# Altium PCB PM06-保险杠灯-V1.PcbDoc
Units mm, origin at the board's own origin, x right, y up, seen from the top; angles counter-clockwise.
Board outline 150 x 5.5 mm, 2 copper layers (Top Layer, Bottom Layer); 30 components, 33 nets, 120 pads, 78 vias.
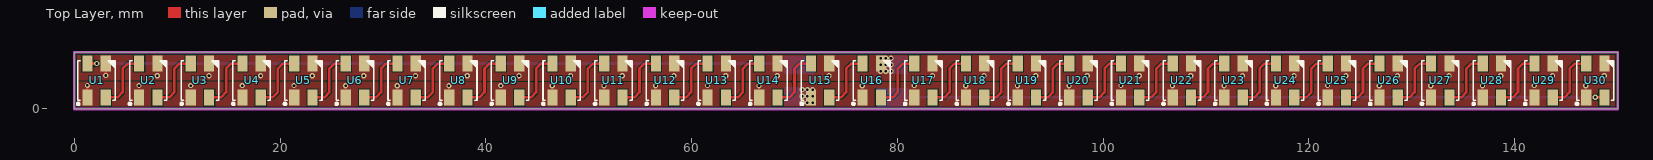
[diagram p0: Top Layer view]
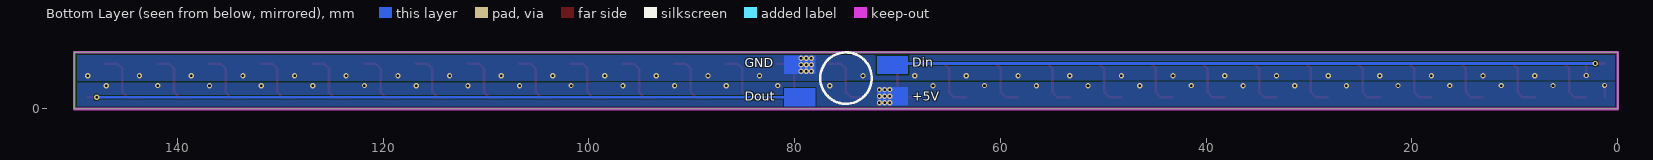
[diagram p1: Bottom Layer view, seen from below]
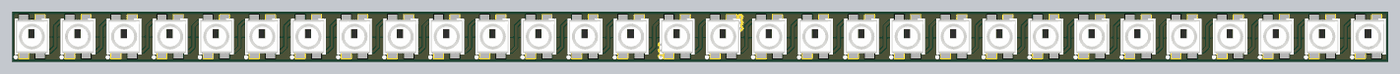
[diagram p2: 3D render of the assembled board from above, using the file's embedded part models]

## Layer stack, top to bottom
Top Solder: solder mask 0.0102, Solder Resist, Dk 3.5
Top Layer: signal copper 0.0356
Dielectric 1: dielectric 0.32, FR-4, Dk 4.8
Bottom Layer: signal copper 0.0356
Bottom Solder: solder mask 0.0102, Solder Resist, Dk 3.5

## Board outline
0,0 0,5.5 150,5.5 150,0

## Design rules (kind name [scope] priority, off if disabled: settings)
Clearance [All] p1: gap=0.127 ignorepadtopadclearanceinfootprint=FALSE
PolygonConnect [All] p1: connectstyle=Direct reliefconductorwidth=0.254 reliefentries=4 polygonreliefangle="90 Angle" airgapwidth=0.254
RoutingVias [All] p1: holewidth=0.254 width=0.508 viastyle="Through Hole" minholewidth=0.254 minwidth=0.508 maxholewidth=0.711 maxwidth=1.27
SolderMaskExpansion [All] p1: expansion=0.102 istentingtop=FALSE
Width [All] p1: maxlimit=0.254 minlimit=0.254 preferedwidth=0.254
30 further rules are at their usual default settings.

## Components (designator, comment, footprint, x,y, rotation, side; value= is the part's Value field where it differs from the comment)
U1 "WS2812" 3535 2.159,2.769 r90 top
U2 "WS2812" 3535 7.182,2.769 r90 top
U3 "WS2812" 3535 12.205,2.769 r90 top
U4 "WS2812" 3535 17.228,2.769 r90 top
U5 "WS2812" 3535 22.251,2.769 r90 top
U6 "WS2812" 3535 27.274,2.769 r90 top
U7 "WS2812" 3535 32.297,2.769 r90 top
U8 "WS2812" 3535 37.32,2.769 r90 top
U9 "WS2812" 3535 42.344,2.769 r90 top
U10 "WS2812" 3535 47.367,2.769 r90 top
U11 "WS2812" 3535 52.39,2.769 r90 top
U12 "WS2812" 3535 57.413,2.769 r90 top
U13 "WS2812" 3535 62.436,2.769 r90 top
U14 "WS2812" 3535 67.459,2.769 r90 top
U15 "WS2812" 3535 72.482,2.769 r90 top
U16 "WS2812" 3535 77.505,2.769 r90 top
U17 "WS2812" 3535 82.528,2.769 r90 top
U18 "WS2812" 3535 87.551,2.769 r90 top
U19 "WS2812" 3535 92.574,2.769 r90 top
U20 "WS2812" 3535 97.597,2.769 r90 top
U21 "WS2812" 3535 102.62,2.769 r90 top
U22 "WS2812" 3535 107.643,2.769 r90 top
U23 "WS2812" 3535 112.667,2.769 r90 top
U24 "WS2812" 3535 117.69,2.769 r90 top
U25 "WS2812" 3535 122.713,2.769 r90 top
U26 "WS2812" 3535 127.736,2.769 r90 top
U27 "WS2812" 3535 132.759,2.769 r90 top
U28 "WS2812" 3535 137.782,2.769 r90 top
U29 "WS2812" 3535 142.805,2.769 r90 top
U30 "WS2812" 3535 147.828,2.769 r90 top

## Footprints (in the part's own frame and the unit in brackets; to place one, negate y for a bottom-side part, rotate by r counter-clockwise, add the part's x,y. Pads: shape width x height; smd on the part's side, far side on the other; paste and mask are expansions set on the pad)
3535 [mm]
  rect 1.545x0.997 smd: 1(-1.638,0.89) 2(-1.638,-0.89) 3(1.638,-0.89) 4(1.638,0.89)
  silkscreen extent -2.37,-1.82 1.92,1.88, body extent -1.84,-1.74 1.84,1.74, height 1.91

## Part data
U1 U2 U3 U4 U5 U6 U7 U8 U9 U10 U11 U12 U13 U14 U15 U16 U17 U18 U19 U20 U21 U22 U23 U24 U25 U26 U27 U28 U29 U30: library part 芯片/IC-WS2812

## Via types
v1: diameter 0.508, hole 0.254, Top Layer to Bottom Layer, 78 vias

## Nets (pads, with @x,y where several pads share a name; then routed paths per layer and width w, separated by ;. In a path a pad name is that pad's centre, name@x,y a point inside that pad or via, vN(x,y) a via of type N, cw(c..) or ccw(c..) an arc to the next point about the centre after c; other vN are vias at no path point)
+5: U1.1 U2.1 U3.1 U4.1 U5.1 U6.1 U7.1 U8.1 U9.1 U10.1 U11.1 U12.1 U13.1 U14.1 U15.1 U16.1 U17.1 U18.1 U19.1 U20.1 U21.1 U22.1 U23.1 U24.1 U25.1 U26.1 U27.1 U28.1 U29.1 U30.1 | length 1.2
  Top Layer w0.254: U1.1 1.27,1.132 v1(1.27,2.286)
  other v1: 70.739,0.61 71.247,0.61 71.755,0.61 70.739,1.245 71.247,1.245 71.755,1.245 70.739,1.88 71.247,1.88 71.755,1.88 6.28,2.273 11.303,2.273 16.326,2.273 21.349,2.273 26.358,2.259 31.381,2.259 36.405,2.259 41.441,2.273 46.451,2.259 51.474,2.259 56.497,2.259 61.533,2.273 66.543,2.259 76.589,2.259 81.626,2.273 86.635,2.259 91.658,2.259 96.681,2.259 101.718,2.273 106.727,2.259 111.751,2.259 116.774,2.259 121.81,2.273 126.82,2.259 131.843,2.259 136.866,2.259 141.902,2.273 146.912,2.259
Din: U1.4 | length 69.3
  Top Layer w0.254: U1.4 1.282,4.42 v1(2.169,4.42)
  Bottom Layer w0.254: v1(2.169,4.42) 70.358,4.42 70.485,4.547
Dout: U30.2 | length 69.1
  Top Layer w0.254: v1(147.831,1.131) U30.2
  Bottom Layer w0.254: 79.629,1.118 79.642,1.131 v1(147.831,1.131)
GND: U1.3 U2.3 U3.3 U4.3 U5.3 U6.3 U7.3 U8.3 U9.3 U10.3 U11.3 U12.3 U13.3 U14.3 U15.3 U16.3 U17.3 U18.3 U19.3 U20.3 U21.3 U22.3 U23.3 U24.3 U25.3 U26.3 U27.3 U28.3 U29.3 U30.3 | length 5.7
  Top Layer w0.254: v1(3.048,3.251) U1.3@3.048,4.405
  Bottom Layer w0.254: v1@78.867,3.785 v1@79.438,4.356 ; v1@78.867,4.42 v1@79.375,4.42 ; v1(79.375,4.293) 79.375,3.785 79.502,3.912 v1@79.502,4.293 ; v1@79.375,5.055 79.375,4.547 78.867,5.055 v1(78.867,4.928) v1@79.375,4.42 ; v1@79.502,4.42 v1@79.375,4.42
  other v1: 8.058,3.238 13.081,3.238 18.104,3.238 23.127,3.238 28.136,3.224 33.159,3.224 38.183,3.224 43.219,3.238 48.229,3.224 53.252,3.224 58.275,3.224 63.311,3.238 68.321,3.224 73.344,3.224 83.404,3.238 88.413,3.224 93.436,3.224 98.459,3.224 103.496,3.238 108.505,3.224 113.529,3.224 118.552,3.224 123.588,3.238 128.598,3.224 133.621,3.224 138.644,3.224 143.68,3.238 148.69,3.224 78.359,3.658 78.867,3.658 79.375,3.658 78.359,4.293 78.867,4.293 78.359,4.928 79.375,4.928
NetU1_2: U1.2 U2.4 | length 5.9
  Top Layer w0.254: U1.2 4.204,1.131 4.699,1.626 4.699,3.912 5.194,4.406 U2.4
NetU2_2: U2.2 U3.4 | length 5.9
  Top Layer w0.254: U2.2 9.228,1.131 9.722,1.626 9.722,3.912 10.217,4.406 U3.4
NetU3_2: U3.2 U4.4 | length 5.9
  Top Layer w0.254: U3.2 14.251,1.131 14.745,1.626 14.745,3.912 15.24,4.406 U4.4
NetU4_2: U4.2 U5.4 | length 5.9
  Top Layer w0.254: U4.2 19.274,1.131 19.768,1.626 19.768,3.912 20.263,4.406 U5.4
NetU5_2: U5.2 U6.4 | length 5.9
  Top Layer w0.254: U5.2 24.297,1.131 24.791,1.626 24.791,3.912 25.286,4.406 U6.4
NetU6_2: U6.2 U7.4 | length 5.9
  Top Layer w0.254: U6.2 29.32,1.131 29.814,1.626 29.814,3.912 30.309,4.406 U7.4
NetU7_2: U7.2 U8.4 | length 5.9
  Top Layer w0.254: U7.2 34.343,1.131 34.837,1.626 34.837,3.912 35.332,4.406 U8.4
NetU8_2: U8.2 U9.4 | length 5.9
  Top Layer w0.254: U8.2 39.366,1.131 39.86,1.626 39.86,3.912 40.355,4.406 U9.4
NetU9_2: U9.2 U10.4 | length 5.9
  Top Layer w0.254: U9.2 44.389,1.131 44.884,1.626 44.884,3.912 45.378,4.406 U10.4
NetU10_2: U10.2 U11.4 | length 5.9
  Top Layer w0.254: U10.2 49.412,1.131 49.907,1.626 49.907,3.912 50.401,4.406 U11.4
NetU11_2: U11.2 U12.4 | length 5.9
  Top Layer w0.254: U11.2 54.435,1.131 54.93,1.626 54.93,3.912 55.424,4.406 U12.4
NetU12_2: U12.2 U13.4 | length 5.9
  Top Layer w0.254: U12.2 59.458,1.131 59.953,1.626 59.953,3.912 60.447,4.406 U13.4
NetU13_2: U13.2 U14.4 | length 5.9
  Top Layer w0.254: U13.2 64.481,1.131 64.976,1.626 64.976,3.912 65.47,4.406 U14.4
NetU14_2: U14.2 U15.4 | length 5.9
  Top Layer w0.254: U14.2 69.504,1.131 69.999,1.626 69.999,3.912 70.493,4.406 U15.4
NetU15_2: U15.2 U16.4 | length 5.9
  Top Layer w0.254: U15.2 74.527,1.131 75.022,1.626 75.022,3.912 75.516,4.406 U16.4
NetU16_2: U16.2 U17.4 | length 5.9
  Top Layer w0.254: U16.2 79.551,1.131 80.045,1.626 80.045,3.912 80.54,4.406 U17.4
NetU17_2: U17.2 U18.4 | length 5.9
  Top Layer w0.254: U17.2 84.574,1.131 85.068,1.626 85.068,3.912 85.563,4.406 U18.4
NetU18_2: U18.2 U19.4 | length 5.9
  Top Layer w0.254: U18.2 89.597,1.131 90.091,1.626 90.091,3.912 90.586,4.406 U19.4
NetU19_2: U19.2 U20.4 | length 5.9
  Top Layer w0.254: U19.2 94.62,1.131 95.114,1.626 95.114,3.912 95.609,4.406 U20.4
NetU20_2: U20.2 U21.4 | length 5.9
  Top Layer w0.254: U20.2 99.643,1.131 100.137,1.626 100.137,3.912 100.632,4.406 U21.4
NetU21_2: U21.2 U22.4 | length 5.9
  Top Layer w0.254: U21.2 104.666,1.131 105.16,1.626 105.16,3.912 105.655,4.406 U22.4
NetU22_2: U22.2 U23.4 | length 5.9
  Top Layer w0.254: U22.2 109.689,1.131 110.183,1.626 110.183,3.912 110.678,4.406 U23.4
NetU23_2: U23.2 U24.4 | length 5.9
  Top Layer w0.254: U23.2 114.712,1.131 115.207,1.626 115.207,3.912 115.701,4.406 U24.4
NetU24_2: U24.2 U25.4 | length 5.9
  Top Layer w0.254: U24.2 119.735,1.131 120.23,1.626 120.23,3.912 120.724,4.406 U25.4
NetU25_2: U25.2 U26.4 | length 5.9
  Top Layer w0.254: U25.2 124.758,1.131 125.253,1.626 125.253,3.912 125.747,4.406 U26.4
NetU26_2: U26.2 U27.4 | length 5.9
  Top Layer w0.254: U26.2 129.781,1.131 130.276,1.626 130.276,3.912 130.77,4.406 U27.4
NetU27_2: U27.2 U28.4 | length 5.9
  Top Layer w0.254: U27.2 134.804,1.131 135.299,1.626 135.299,3.912 135.793,4.406 U28.4
NetU28_2: U28.2 U29.4 | length 5.9
  Top Layer w0.254: U28.2 139.827,1.131 140.322,1.626 140.322,3.912 140.816,4.406 U29.4
NetU29_2: U29.2 U30.4 | length 5.9
  Top Layer w0.254: U29.2 144.85,1.131 145.345,1.626 145.345,3.912 145.839,4.406 U30.4

## Polygon pours and split planes (outlines as drawn)
+5 on Top Layer "NONET_L01_P-001" (solid, pour order 1): 149.987,2.743 149.987,0.076 0,0.076 -0.127,0.203 -0.127,2.87
GND on Top Layer "NONET_L01_P-001" (solid, pour order 0): 0,2.794 0,5.461 149.987,5.461 150.114,5.334 150.114,2.667
GND on Bottom Layer "NONET_L01_P-001" (solid, pour order 3): 0,2.794 0,5.461 149.987,5.461 150.114,5.334 150.114,2.667
+5 on Bottom Layer "NONET_L01_P-001" (solid, pour order 2): 149.987,2.544 149.987,0.076 0,0.076 -0.127,0.203 -0.127,2.671

## Keep-outs
Keep-Out Layer:
  the board outline again, w0.254

## Other copper
Bottom Layer:
  rectangle net +5: 68.961,0.356 72.009,2.134
  rectangle net Din: 68.961,3.377 72.009,5.155
  region net GND: 81.026,5.182 77.978,5.182 77.978,3.404 81.026,3.404
  region net Dout: 81.026,2.034 77.978,2.034 77.978,0.256 81.026,0.256

## Silkscreen, mask and mechanical layers (free items; w line width, h text height)
Bottom Overlay:
  circle w0.254: c75,3 r2.5
  text "Din" at 68.58,3.797 h1.52
  text "GND" at 84.836,3.77 h1.52
  text "+5V" at 68.58,0.522 h1.52
  text "Dout" at 84.836,0.495 h1.52
Bottom Solder:
  rectangle: 68.961,0.356 72.009,2.134
  region: 81.026,5.182 77.978,5.182 77.978,3.404 81.026,3.404
  rectangle: 68.961,3.377 72.009,5.155
  region: 81.026,2.159 77.978,2.159 77.978,0.381 81.026,0.381